# Altium PCB CGRA_Board_3.PcbDoc (part 1 of 7) (continued)
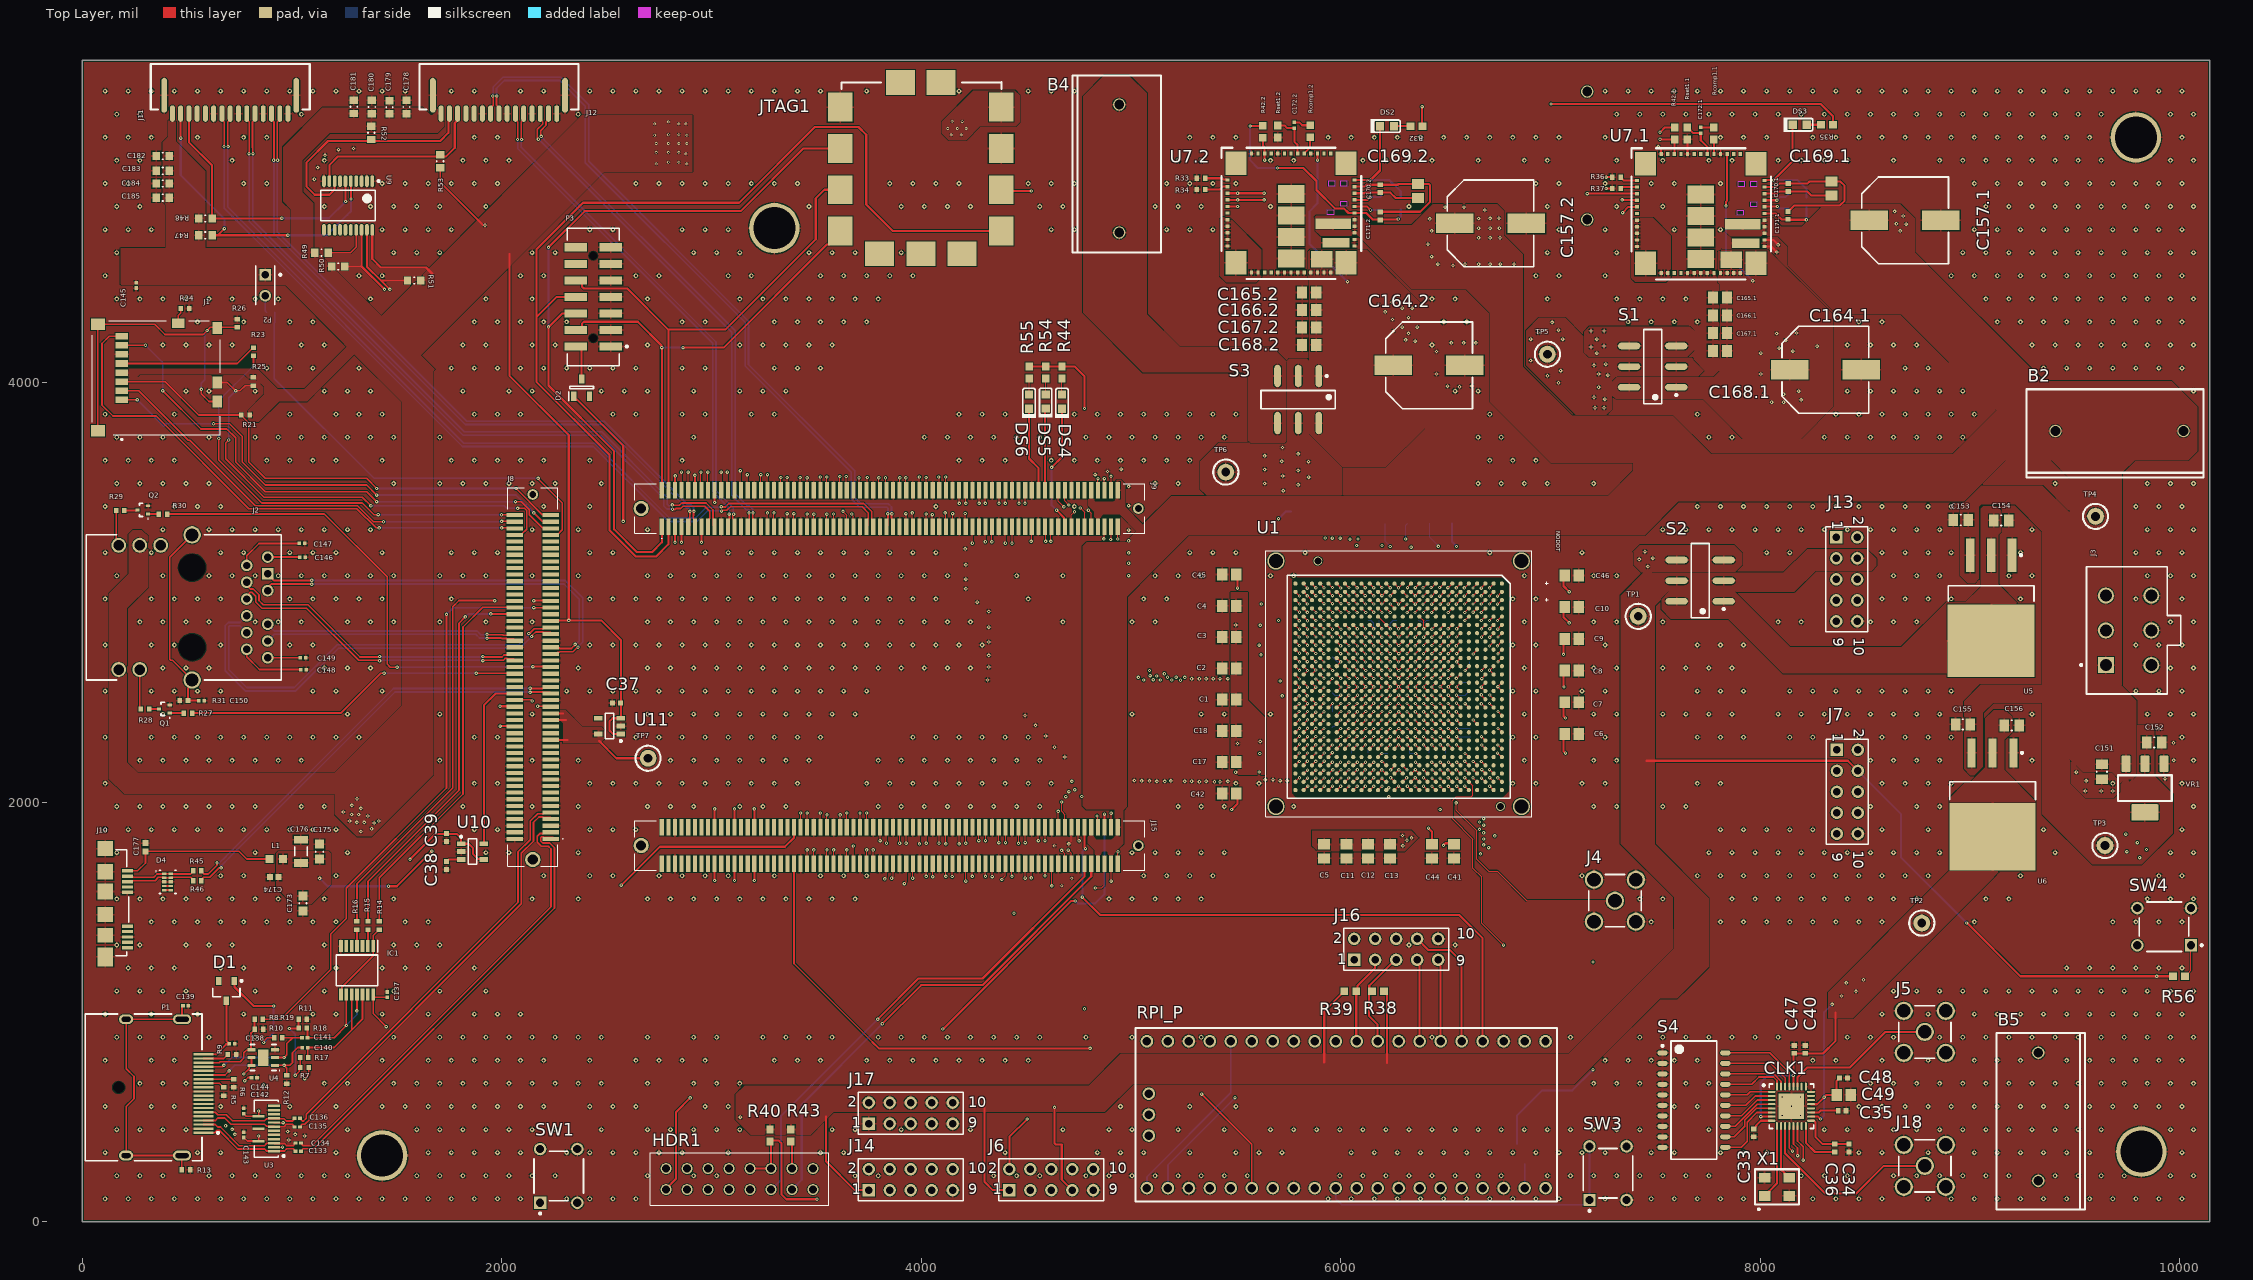
[diagram p0: Top Layer view]
## Components (designator, comment, footprint, x,y, rotation, side; value= is the part's Value field where it differs from the comment)
B1 "24.243.1" banana_clip 7174.8,5082.94 r90 bottom
B2 "24.243.1" banana_clip 9712,3770 r0 top
B4 "24.243.1" banana_clip 4944,5021 r270 top
B5 "24.243.1" banana_clip 9325,501 r90 top
C1 "CAP_1uF_0805_25V" CAPC2012X14N 5468,2489.43 r180 top
C2 "CAP_1uF_0805_25V" CAPC2012X14N 5468,2638.57 r180 top
C3 "CAP_1uF_0805_25V" CAPC2012X14N 5468,2787.71 r180 top
C4 "CAP_1uF_0805_25V" CAPC2012X14N 5468,2936.86 r180 top
C5 "CAP_1uF_0805_25V" CAPC2012X14N 5921,1766 r270 top
C6 "CAP_1uF_0805_25V" CAPC2012X14N 7101,2326 r0 top
C7 "CAP_1uF_0805_25V" CAPC2012X14N 7101,2477 r0 top
C8 "CAP_1uF_0805_25V" CAPC2012X14N 7101,2628 r0 top
C9 "CAP_1uF_0805_25V" CAPC2012X14N 7101,2779 r0 top
C10 "CAP_1uF_0805_25V" CAPC2012X14N 7101,2930 r0 top
C11 "CAP_1uF_0805_25V" CAPC2012X14N 6026.71,1766 r270 top
C12 "CAP_1uF_0805_25V" CAPC2012X14N 6130.67,1766 r270 top
C13 "CAP_1uF_0805_25V" CAPC2012X14N 6235.48,1766 r270 top
C14 "CAP_1uF_0805_25V" CAPC2012X14N 6211,3368 r90 bottom
C15 "CAP_1uF_0805_25V" CAPC2012X14N 6319,3369 r90 bottom
C16 "CAP_1uF_0805_25V" CAPC2012X14N 6425,3370 r90 bottom
C17 "CAP_1uF_0805_25V" CAPC2012X14N 5468,2191.14 r180 top
C18 "CAP_1uF_0805_25V" CAPC2012X14N 5468,2340.29 r180 top
C19 "cap" CAPC0603X02N 6118.63,2233 r180 bottom
C20 "cap" CAPC0603X02N 6195.24,2867 r0 bottom
C21 "cap" CAPC0603X02N 6039.7,2233 r180 bottom
C22 "cap" CAPC0603X02N 5958.82,2707 r90 bottom
C23 "cap" CAPC0603X02N 6631.62,2355.99 r0 bottom
C24 "cap" CAPC0603X02N 6434.17,2867 r0 bottom
C25 "cap" CAPC0603X02N 6118.63,2867 r180 bottom
C26 "cap" CAPC0603X02N 5958.82,2343 r270 bottom
C27 "cap" CAPC0603X02N 6279.01,2867 r0 bottom
C28 "cap" CAPC0603X02N 6631.62,2312.82 r0 bottom
C29 "cap" CAPC0603X02N 6628,2531 r0 bottom
C30 "cap" CAPC0603X02N 6628,2669 r0 bottom
C31 "cap" CAPC0603X02N 5959.63,2535 r90 bottom
C32 "cap" CAPC0603X02N 6628,2572 r0 bottom
C33 "CAP_470nF_1608mm_0603mil_1" CAPC1005X06N 7968.95,424.68 r270 top
C34 "CAP_470nF_1608mm_0603mil_1" CAPC1005X06N 8422.71,351.84 r270 top
C35 "CAP_470nF_1608mm_0603mil_1" CAPC1005X06N 8390.23,530 r0 top
C36 "CAP_12nF_1608mm_0603mil" CAPC1005X06N 8354.44,351.84 r90 top
C37 "CAP_470nF_1608mm_0603mil_1" CAPC1005X06N 2546.87,2473.53 r180 top
C38 "CAP_470nF_1608mm_0603mil_1" CAPC1005X06N 1737,1698.57 r270 top
C39 "CAP_470nF_1608mm_0603mil_1" CAPC1005X06N 1737,1832.5 r270 top
C40 "CAP_470nF_1608mm_0603mil_1" CAPC1005X06N 8213.61,822.67 r90 top
C41 "CAP_1uF_0805_25V" CAPC2012X14N 6539,1766 r270 top
C42 "CAP_1uF_0805_25V" CAPC2012X14N 5468,2042 r180 top
C43 "CAP_1uF_0805_25V" CAPC2012X14N 6531,3369 r90 bottom
C44 "CAP_1uF_0805_25V" CAPC2012X14N 6433.9,1766 r270 top
C45 "CAP_1uF_0805_25V" CAPC2012X14N 5468,3086 r180 top
C46 "CAP_1uF_0805_25V" CAPC2012X14N 7101,3081 r0 top
C47 "CAP_470nF_1608mm_0603mil_1" CAPC1005X06N 8161.13,822.67 r90 top
C48 "CAP_470nF_1608mm_0603mil_1" CAPC1005X06N 8396.5,685.84 r0 top
C49 "CAP_4.7uF_0805_25V" CAPC2012X14N 8397.48,605.53 r0 top
C96 "cap" CAPC0603X02N 6513.3,2233 r0 bottom
C97 "cap" CAPC0603X02N 6357,2867 r180 bottom
C98 "cap" CAPC0603X02N 6316,2233 r180 bottom
C99 "cap" CAPC0603X02N 6434.93,2233 r0 bottom
C100 "cap" CAPC0603X02N 6236.5,2233 r0 bottom
C101 "cap" CAPC0603X02N 5958.82,2418.01 r270 bottom
C106 "cap" CAPC0603X02N 6039.7,3399 r90 bottom
C107 "cap" CAPC0603X02N 5841.58,3399.01 r90 bottom
C108 "cap" CAPC0603X02N 5801.58,3399.01 r90 bottom
C109 "cap" CAPC0603X02N 6001,3317 r270 bottom
C110 "cap" CAPC0603X02N 5921.58,3399.01 r90 bottom
C111 "cap" CAPC0603X02N 5762.58,3317 r270 bottom
C112 "cap" CAPC0603X02N 5841.58,3317 r270 bottom
C113 "cap" CAPC0603X02N 5801.58,3317.01 r270 bottom
C114 "cap" CAPC0603X02N 6001,3399 r90 bottom
C115 "cap" CAPC0603X02N 5961.58,3317 r270 bottom
C116 "cap" CAPC0603X02N 5881.58,3317 r270 bottom
C117 "cap" CAPC0603X02N 5882,3399.01 r90 bottom
C118 "cap" CAPC0603X02N 6041,3317 r270 bottom
C119 "cap" CAPC0603X02N 5921.58,3317 r270 bottom
C120 "cap" CAPC0603X02N 5961.58,3399.01 r90 bottom
C121 "cap" CAPC0603X02N 5762.58,3399.01 r90 bottom
C133 "0.1uF" CAPC0201(0603)33_N 1029.99,335.88 r180 top
C134 "0.1uF" CAPC0201(0603)33_N 1030,376 r180 top
C135 "0.1uF" CAPC0201(0603)33_N 1026,452.15 r180 top
C136 "0.1uF" CAPC0201(0603)33_N 1026.01,493.36 r180 top
C137 "0.1uF" CAPC0201(0603)33_N 1455,1083.41 r270 top
C138 "0.1uF" CAPC0201(0603)33_N 714.43,850 r180 top
C139 "0.1uF" CAPC0201(0603)33_N 493.31,1029.31 r180 top
C140 "0.1uF" CAPC0201(0603)33_N 1062.74,831.09 r180 top
C141 "0.1uF" CAPC0201(0603)33_N 1061.46,877.98 r180 top
C142 "0.1uF" CAPC0201(0603)33_N 771,528.21 r90 top
C143 "0.1uF" CAPC0201(0603)33_N 771,414.62 r270 top
C144 "0.1uF" CAPC0201(0603)33_N 820.26,688.02 r180 top
C145 "0.1uF" CAPC0201(0603)33_N 257,4464 r270 top
C146 "0.1uF" CAPC0201(0603)33_N 1050.68,3169 r180 top
C147 "0.1uF" CAPC0201(0603)33_N 1048,3234 r180 top
C148 "0.1uF" CAPC0201(0603)33_N 1055.41,2633 r180 top
C149 "0.1uF" CAPC0201(0603)33_N 1053,2689 r180 top
C150 "0.1uF" CAPC0201(0603)33_N 568.99,2485 r180 top
C151 "10uF" CAPC0805(2012)145_N 9628,2146 r90 top
C152 "10uF" CAPC0805(2012)145_N 9877,2286 r180 top
C153 "10uF" CAPC0805(2012)145_N 8956,3346 r0 top
C154 "10uF" CAPC0805(2012)145_N 9148,3344 r180 top
C155 "10uF" CAPC0805(2012)145_N 8966,2372 r0 top
C156 "10uF" CAPC0805(2012)145_N 9199,2367 r180 top
C157.1 "CAP_POLY_330uF_25V" CAPAE110103X127M 8690,4774.31 r0 top (schematic designator C157)
C157.2 "CAP_POLY_330uF_25V" CAPAE110103X127M 6714,4760 r0 top (schematic designator C157)
C158.1 "CAP_22uF_1812_25V" CAPC4532X28N 8729,4582 r270 bottom (schematic designator C158)
C158.2 "CAP_22uF_1812_25V" CAPC4532X28N 6761,4544 r270 bottom (schematic designator C158)
C159.1 "CAP_22uF_1812_25V" CAPC4532X28N 8544,5011 r90 bottom (schematic designator C159)
C159.2 "CAP_22uF_1812_25V" CAPC4532X28N 6559,4987 r90 bottom (schematic designator C159)
C160.1 "CAP_22uF_1812_25V" CAPC4532X28N 8729,5011 r90 bottom (schematic designator C160)
C160.2 "CAP_22uF_1812_25V" CAPC4532X28N 6754,4988 r90 bottom (schematic designator C160)
C161.1 "CAP_22uF_1812_25V" CAPC4532X28N 8544,4582 r270 bottom (schematic designator C161)
C161.2 "CAP_22uF_1812_25V" CAPC4532X28N 6564,4544 r270 bottom (schematic designator C161)
C162.1 "CAP_4.7uF_0805_25V" CAPC2012X14N 8133,4865 r270 bottom (schematic designator C162)
C162.2 "CAP_4.7uF_0805_25V" CAPC2012X14N 6193.12,4856.62 r270 bottom (schematic designator C162)
C163.1 "CAP_POLY_470uF_16V" CAPAE110103X127M 8348,4062 r0 bottom (schematic designator C163)
C163.2 "CAP_POLY_470uF_16V" CAPAE110103X127M 6422,4083 r0 bottom (schematic designator C163)
C164.1 "CAP_POLY_470uF_16V" CAPAE110103X127M 8310,4062.04 r0 top (schematic designator C164)
C164.2 "CAP_POLY_470uF_16V" CAPAE110103X127M 6421,4083 r0 top (schematic designator C164)
C165.1 "CAP_47uF_0805_10V" CAPC2012X14N 7807.54,4406 r180 top (schematic designator C165)
C165.2 "CAP_47uF_0805_10V" CAPC2012X14N 5849,4430 r180 top (schematic designator C165)
C166.1 "CAP_47uF_0805_10V" CAPC2012X14N 7807.54,4321.33 r180 top (schematic designator C166)
C166.2 "CAP_47uF_0805_10V" CAPC2012X14N 5849,4347 r180 top (schematic designator C166)
C167.1 "CAP_47uF_0805_10V" CAPC2012X14N 7807.54,4236.67 r180 top (schematic designator C167)
C167.2 "CAP_47uF_0805_10V" CAPC2012X14N 5849,4264 r180 top (schematic designator C167)
C168.1 "CAP_47uF_0805_10V" CAPC2012X14N 7807.54,4152 r180 top (schematic designator C168)
C168.2 "CAP_47uF_0805_10V" CAPC2012X14N 5849,4181 r180 top (schematic designator C168)
C169.1 "CAP_1uF_0805_25V" CAPC2012X14N 8339,4926 r90 top (schematic designator C169)
C169.2 "CAP_1uF_0805_25V" CAPC2012X14N 6368,4914 r90 top (schematic designator C169)
C170.1 "CAP_10nF_0402_25V" CAPC1005X06N 8133,4930.41 r90 top (schematic designator C170)
C170.2 "CAP_10nF_0402_25V" CAPC1005X06N 6188,4925 r90 top (schematic designator C170)
C171.1 "CAP_2.2uF_0402_25V" CAPC1005X06N 8132,4798.23 r270 top (schematic designator C171)
C171.2 "CAP_2.2uF_0402_25V" CAPC1005X06N 6188,4793.99 r270 top (schematic designator C171)
C172.1 "CAP_1500pF_0201_25V" CAPC0603X02N 7716,5203.57 r270 top (schematic designator C172)
C172.2 "CAP_1500pF_0201_25V" CAPC0603X02N 5779,5227.22 r270 top (schematic designator C172)
C173 "4.7uF 6.3V 0603" CAPC0603(1608)55_M 1052.28,1517.71 r90 top value=4.7uF
C174 "100nF 16V 0402" CAPC0402(1005)60_M 915.44,1643.62 r0 top value=100nF
C175 "470pF 50V 0603" CAPC0603(1608)100_M 1132,1765 r270 top value=470pF
C176 "100uF 6.3V 1206" CAPC1206(3216)190_L 1042.97,1766.31 r270 top value=100uF
C177 "100nF 16V 0402" CAPC0402(1005)60_M 302,1786 r270 top value=100nF
C178 "100nF" CAPC0603(1608)100_N 1546,5314.5 r90 top value=1uF
C179 "100nF" CAPC0603(1608)100_N 1465,5313.5 r90 top value=1uF
C180 "100nF" CAPC0603(1608)100_N 1381,5314.5 r90 top value=1uF
C181 "100nF" CAPC0603(1608)100_N 1295,5315 r90 top value=1uF
C182 "100nF" CAPC0603(1608)100_N 383.98,5081 r0 top value=1uF
C183 "100nF" CAPC0603(1608)100_N 383.98,5010.14 r0 top value=1uF
C184 "100nF" CAPC0603(1608)100_N 383.98,4950 r0 top value=1uF
C185 "100nF" CAPC0603(1608)100_N 384,4882 r0 top value=1uF
CLK1 "AD9552" QFN50P500X500X80_HS-33N 8148,551 r0 top
D1 "BAT400D" SOT95P236X110-3N 687.92,1101.4 r270 top
D2 "BAT400D-7-F" SOT96P240X110-3N 2381,3977 r90 top
D4 "TPD4E05U06" "TI R-PUSON-N10" 407.16,1620.69 r0 top
D5 "BAT400D" SOT95P236X110-3N 6877,323.24 r270 bottom
DS2 "KP-1608MGC" KING-0603LED_GREEN_V 6220.54,5223 r0 top
DS3 "KP-1608MGC" KING-0603LED_GREEN_V 8187.47,5230 r0 top
DS4 "KP-1608MGC" KING-0603LED_GREEN_V 4671,3910 r90 top
DS5 "KP-1608MGC" KING-0603LED_GREEN_V 4593,3911 r90 top
DS6 "KP-1608MGC" KING-0603LED_GREEN_V 4514,3910 r90 top
HDR1 "2x8_HDR" 16POSHDR 2784,154 r0 top
IC1 "FIN1019MTCX" SOP65P640X120-14N 1310.59,1199.16 r270 top
J1 "5025700893" 5025700893 354.33,4016 r90 top
J2 "L829-1J1T-43" BELS-L829-1J1T-43_V 524.61,2929 r90 top
J3 "39-28-1063" MOLX-39-28-1063_V 9755.27,2819.65 r90 top
J4 "32K101-400L5" ROS-32K101-400L5_V 7307,1531 r0 top
J5 "32K101-400L5" ROS-32K101-400L5_V 8784,905.53 r90 top
J6 "Header 5X2" HDR2X5 4420,151 r0 top
J7 "Header 5X2" HDR2X5 8365,2250 r270 top
J8 "5177985-4" 5177985-4 2148.12,2597.11 r90 top
J9 "5177985-6" 5177985-6 3850,3400.61 r0 top
J10 "692622030100" 692622030100 112.4,1508.91 r270 top
J11 "SFW15R-2STE1LF" SFW15R-2STE1LF 706,5421 r180 top
J12 "SFW15R-2STE1LF" SFW15R-2STE1LF 1987,5421 r180 top
J13 "Header 5X2" HDR2X5 8362,3263 r270 top
J14 "Header 5X2" HDR2X5 3750,151 r0 top
J15 "5177985-6" 5177985-6 3850,1793.61 r0 top
J16 "Header 5X2" HDR2X5 6064,1249 r0 top
J17 "Header 5X2" HDR2X5 3750,468 r0 top
J18 "32K101-400L5" ROS-32K101-400L5_V 8784,267 r0 top
JTAG1 "JTAG_SMT2" JTAG_SMT2 3998.14,5018.43 r270 top
L1 "BEAD 30ohm 0603" "WE BEAD 0603 INDC1608X10N" 925.02,1729.57 r180 top
P1 "47272-0001" MOLX-47272-0001_V 288.19,641 r270 top
P2 "5-146280-2" TECO-5-146280-2_V 873,4465 r270 top
P3 "878321420" MOLX-878321420_V 2437,4409.15 r90 top
Q1 "MMBT3904TT1G" ONSC-SC-75-3-463-01_V 392,2445 r180 top
Q2 "MMBT3904TT1G" ONSC-SC-75-3-463-01_V 289,3394 r180 top
R5 "1M" RESC0402(1005)_N 675,621.32 r90 top
R6 "1M" RESC0402(1005)_N 721.99,660.68 r90 top
R7 "2.49K" RESC0402(1005)_N 1060,736 r0 top
R8 "10" RESC0402(1005)_N 841.58,965.8 r180 top
R9 "0" RESC0402(1005)_N 714.43,798 r180 top
R10 "100K" RESC0402(1005)_N 843.69,919 r180 top
R11 "1.50K" RESC0402(1005)_N 1051.61,965.8 r180 top
R12 "100K" RESC0402(1005)_N 976,679 r270 top
R13 "0" RESC0402(1005)_N 495,248 r0 top
R14 "0" RESC0402(1005)_N 1416,1413 r90 top
R15 "0" RESC0402(1005)_N 1363,1413 r90 top
R16 "0" RESC0402(1005)_N 1310,1413 r90 top
R17 "49.9" RESC0402(1005)_N 1058.68,783.24 r180 top
R18 "49.9" RESC0402(1005)_N 1051.61,923.94 r0 top
R19 "100K" RESC0402(1005)_N 935.28,877.98 r180 top
R20 "499" RESC0402(1005)_N 899,4336.2 r180 bottom
R21 "4.99K" RESC0402(1005)_N 779,3846 r0 top
R22 "4.99K" RESC0402(1005)_N 896.88,4285 r180 bottom
R23 "40.2" RESC0402(1005)_N 817,4148 r90 top
R24 "0" RESC0402(1005)_N 490,4354 r180 top
R25 "4.99K" RESC0402(1005)_N 815,4006 r90 top
R26 "0" RESC0402(1005)_N 740,4284 r90 top
R27 "100K" RESC0402(1005)_N 504.69,2425.32 r180 top
R28 "240" RESC0402(1005)_N 300,2445 r0 top
R29 "240" RESC0402(1005)_N 181.69,3391 r0 top
R30 "100K" RESC0402(1005)_N 386,3374 r180 top
R31 "0" RESC0402(1005)_N 485,2485 r0 top
R32 "RES_240_0603" RESC1608X06N 6361.7,5223 r180 top
R33 "7.15K" RESC0402(1005)_N 5334,4975 r0 top
R34 "7.15K" RESC0402(1005)_N 5334,4921 r0 top
R35 "RES_240_0603" RESC1608X06N 8317.86,5230 r180 top
R36 "7.15K" RESC0402(1005)_N 7314,4980 r0 top
R37 "22.6K" RESC0402(1005)_N 7314,4926 r0 top
R38 "RES_10K_0603" RESC1608X06N 6177.7,1099.4 r180 top
R39 "RES_10K_0603" RESC1608X06N 6045,1099 r0 top
R40 "RES_10K_0603" RESC1608X06N 3279,412 r270 top
R41.1 "RES_10K_0603" RESC1608X06N 8219.13,4854.61 r90 bottom (schematic designator R41)
R41.2 "RES_10K_0603" RESC1608X06N 6286,4854 r90 bottom (schematic designator R41)
R42.1 "RES_10K_0603" RESC1608X06N 7591,5188.8 r270 top (schematic designator R42)
R42.2 "RES_10K_0603" RESC1608X06N 5629,5196.46 r270 top (schematic designator R42)
R43 "RES_10K_0603" RESC1608X06N 3379,412 r270 top
R44 "RES_240_0603" RESC1608X06N 4671,4049 r270 top
R45 "0 0402" RESC0402(1005)_N 548.45,1674.52 r180 top value="0.00 Ohm"
R46 "0 0402" RESC0402(1005)_N 548.45,1626.06 r180 top value="0.00 Ohm"
R47 "10K" RESC0603(1608)_N 588,4703 r180 top value="10000.00 Ohm"
R48 "10K" RESC0603(1608)_N 587.89,4783.22 r180 top value="10000.00 Ohm"
R49 "10K" RESC0603(1608)_N 1141.2,4620.08 r180 top value="10000.00 Ohm"
R50 "10K" RESC0603(1608)_N 1220.82,4554.43 r180 top value="10000.00 Ohm"
R51 "10K" RESC0603(1608)_N 1582.5,4487.89 r0 top value="10000.00 Ohm"
R52 "10K" RESC0603(1608)_N 1378.34,5191.03 r90 top value="10000.00 Ohm"
R53 "10K" RESC0603(1608)_N 1707.12,5056.05 r270 top value="10000.00 Ohm"
R54 "RES_240_0603" RESC1608X06N 4593.18,4049 r270 top
R55 "RES_240_0603" RESC1608X06N 4514,4049 r270 top
R56 "RES_10K_0603" RESC1608X06N 9996,1171 r0 top
Rcomp1.1 "RES_665_0603" RESC1608X06N 7777,5188.8 r90 top (schematic designator Rcomp1)
Rcomp1.2 "RES_665_0603" RESC1608X06N 5854,5199 r90 top (schematic designator Rcomp1)
RPI_P "Raspberry Pi Pico" RPI_PICO -33199,-14899 r270 top
Rset1.1 "RES_1K_0603" RESC1608X06N 7652,5188.8 r270 top (schematic designator Rset1)
Rset1.2 "RES_1K_0603" RESC1608X06N 5700.01,5197.78 r270 top (schematic designator Rset1)
S1 "JS202011SCQN" JS202011SCQN_auto 7487.08,4077 r180 top
S2 "JS202011SCQN" JS202011SCQN_auto 7713.2,3056.57 r180 top
S3 "JS202011SCQN" JS202011SCQN_auto 5797,3920 r270 top
S4 "CHS-10TB" SOIC127P800X250-20N 7683.24,580.53 r0 top
SW1 "1825910-6" TECO-1825910-6_V 2272,219 r90 top
SW3 "1825910-6" TECO-1825910-6_V 7274,232 r90 top
SW4 "1825910-6" TECO-1825910-6_V 9925,1407 r180 top
TP1 "6.6" "TEST POINT SMALL RED" 7418,2886.56 r0 top value=RED
TP2 "6.6" "TEST POINT SMALL RED" 8769.83,1424.41 r0 top value=RED
TP3 "6.6" "TEST POINT SMALL RED" 9643,1794 r0 top value=RED
TP4 "6.6" "TEST POINT SMALL RED" 9598,3363 r0 top value=RED
TP5 "6.6" "TEST POINT SMALL RED" 6985,4136 r0 top value=RED
TP6 "6.6" "TEST POINT SMALL RED" 5452,3574 r0 top value=RED
TP7 "6.6" "TEST POINT SMALL RED" 2698,2210 r0 top value=RED
U1 "CGRA_BGA_v2" BGA676x26 6275.87,2550.43 r270 top
U3 "TPD8S009DSMR" DSM0015A_V 878,444.15 r180 top
U4 "TPD4E001DRSR" DRS0006A_V 863.37,783.24 r180 top
U5 "LD1085D2M18R" D2PAK_A_M 9100,2928 r270 top
U6 "LD1085D2M33R" D2PAK_A_L 9107,1989.54 r270 top
U7.1 "TPSM846C23" QFM-59 7716,4806.81 r270 top (schematic designator U7)
U7.2 "TPSM846C23" QFM-59 5763,4809 r270 top (schematic designator U7)
U9 "TCA9544A" TSOP65P640X120-20N 1268,4845 r270 top
U10 "LK112" SOT95P280X110-5N 1861,1765 r0 top
U11 "TCR2LF085" SOT95P280X110-5N 2514,2363.39 r180 top
VR1 "Z1117-5.0" SOT-223 9833.45,2067.86 r180 top
X1 "XTAL" "7M-26.000MAAJ-T footprint" 8079.1,167 r0 top

## Footprints (in the part's own frame and the unit in brackets; to place one, negate y for a bottom-side part, rotate by r counter-clockwise, add the part's x,y. Pads: shape width x height; smd on the part's side, far side on the other; paste and mask are expansions set on the pad)
"7M-26.000MAAJ-T footprint" [mm]
  rect 1.4x1.2 smd: 1(-1.5,-1.1) 2(1.5,-1.1) 3(1.5,1.1) 4(-1.5,1.1)
  silkscreen extent -2.64,-2.82 2.67,2.13
16POSHDR [mil]
  round 52 hole 39: 1(0,0) 2(0,100) 3(100,0) 4(100,100) 5(200,0) 6(200,100) 7(300,0) 8(300,100) 9(400,0) 10(400,100) 11(500,0) 12(500,100) 13(600,0) 14(600,100) 15(700,0) 16(700,100)
  silkscreen extent -75,-75 775,175
5177985-4 [mm]
  rect 0.5x2 smd: 1(-19.6,-2.2) 2(-19.6,2.2) 3(-18.8,-2.2) 4(-18.8,2.2) 5(-18,-2.2) 6(-18,2.2) 7(-17.2,-2.2) 8(-17.2,2.2) 9(-16.4,-2.2) 10(-16.4,2.2) 11(-15.6,-2.2) 12(-15.6,2.2) 13(-14.8,-2.2) 14(-14.8,2.2) 15(-14,-2.2) 16(-14,2.2) 17(-13.2,-2.2) 18(-13.2,2.2) 19(-12.4,-2.2) 20(-12.4,2.2) 21(-11.6,-2.2) 22(-11.6,2.2) 23(-10.8,-2.2) 24(-10.8,2.2) 25(-10,-2.2) 26(-10,2.2) 27(-9.2,-2.2) 28(-9.2,2.2) 29(-8.4,-2.2) 30(-8.4,2.2) 31(-7.6,-2.2) 32(-7.6,2.2) 33(-6.8,-2.2) 34(-6.8,2.2) 35(-6,-2.2) 36(-6,2.2) 37(-5.2,-2.2) 38(-5.2,2.2) 39(-4.4,-2.2) 40(-4.4,2.2) 41(-3.6,-2.2) 42(-3.6,2.2) 43(-2.8,-2.2) 44(-2.8,2.2) 45(-2,-2.2) 46(-2,2.2) 47(-1.2,-2.2) 48(-1.2,2.2) 49(-0.4,-2.2) 50(-0.4,2.2) 51(0.4,-2.2) 52(0.4,2.2) 53(1.2,-2.2) 54(1.2,2.2) 55(2,-2.2) 56(2,2.2) 57(2.8,-2.2) 58(2.8,2.2) 59(3.6,-2.2) 60(3.6,2.2) 61(4.4,-2.2) 62(4.4,2.2) 63(5.2,-2.2) 64(5.2,2.2) 65(6,-2.2) 66(6,2.2) 67(6.8,-2.2) 68(6.8,2.2) 69(7.6,-2.2) 70(7.6,2.2) 71(8.4,-2.2) 72(8.4,2.2) 73(9.2,-2.2) 74(9.2,2.2) 75(10,-2.2) 76(10,2.2) 77(10.8,-2.2) 78(10.8,2.2) 79(11.6,-2.2) 80(11.6,2.2) 81(12.4,-2.2) 82(12.4,2.2) 83(13.2,-2.2) 84(13.2,2.2) 85(14,-2.2) 86(14,2.2) 87(14.8,-2.2) 88(14.8,2.2) 89(15.6,-2.2) 90(15.6,2.2) 91(16.4,-2.2) 92(16.4,2.2) 93(17.2,-2.2) 94(17.2,2.2) 95(18,-2.2) 96(18,2.2) 97(18.8,-2.2) 98(18.8,2.2) 99(19.6,-2.2) 100(19.6,2.2)
  round 1.85 hole 1.23: MH1(-22.1,0)
  round 1.3 hole 0.83: MH2(22.1,0)
  silkscreen extent -22.9,-3.66 22.9,3
5177985-6 [mm]
  rect 0.5x2 smd: 1(-27.6,-2.2) 2(-27.6,2.2) 3(-26.8,-2.2) 4(-26.8,2.2) 5(-26,-2.2) 6(-26,2.2) 7(-25.2,-2.2) 8(-25.2,2.2) 9(-24.4,-2.2) 10(-24.4,2.2) 11(-23.6,-2.2) 12(-23.6,2.2) 13(-22.8,-2.2) 14(-22.8,2.2) 15(-22,-2.2) 16(-22,2.2) 17(-21.2,-2.2) 18(-21.2,2.2) 19(-20.4,-2.2) 20(-20.4,2.2) 21(-19.6,-2.2) 22(-19.6,2.2) 23(-18.8,-2.2) 24(-18.8,2.2) 25(-18,-2.2) 26(-18,2.2) 27(-17.2,-2.2) 28(-17.2,2.2) 29(-16.4,-2.2) 30(-16.4,2.2) 31(-15.6,-2.2) 32(-15.6,2.2) 33(-14.8,-2.2) 34(-14.8,2.2) 35(-14,-2.2) 36(-14,2.2) 37(-13.2,-2.2) 38(-13.2,2.2) 39(-12.4,-2.2) 40(-12.4,2.2) 41(-11.6,-2.2) 42(-11.6,2.2) 43(-10.8,-2.2) 44(-10.8,2.2) 45(-10,-2.2) 46(-10,2.2) 47(-9.2,-2.2) 48(-9.2,2.2) 49(-8.4,-2.2) 50(-8.4,2.2) 51(-7.6,-2.2) 52(-7.6,2.2) 53(-6.8,-2.2) 54(-6.8,2.2) 55(-6,-2.2) 56(-6,2.2) 57(-5.2,-2.2) 58(-5.2,2.2) 59(-4.4,-2.2) 60(-4.4,2.2) 61(-3.6,-2.2) 62(-3.6,2.2) 63(-2.8,-2.2) 64(-2.8,2.2) 65(-2,-2.2) 66(-2,2.2) 67(-1.2,-2.2) 68(-1.2,2.2) 69(-0.4,-2.2) 70(-0.4,2.2) 71(0.4,-2.2) 72(0.4,2.2) 73(1.2,-2.2) 74(1.2,2.2) 75(2,-2.2) 76(2,2.2) 77(2.8,-2.2) 78(2.8,2.2) 79(3.6,-2.2) 80(3.6,2.2) 81(4.4,-2.2) 82(4.4,2.2) 83(5.2,-2.2) 84(5.2,2.2) 85(6,-2.2) 86(6,2.2) 87(6.8,-2.2) 88(6.8,2.2) 89(7.6,-2.2) 90(7.6,2.2) 91(8.4,-2.2) 92(8.4,2.2) 93(9.2,-2.2) 94(9.2,2.2) 95(10,-2.2) 96(10,2.2) 97(10.8,-2.2) 98(10.8,2.2) 99(11.6,-2.2) 100(11.6,2.2) 101(12.4,-2.2) 102(12.4,2.2) 103(13.2,-2.2) 104(13.2,2.2) 105(14,-2.2) 106(14,2.2) 107(14.8,-2.2) 108(14.8,2.2) 109(15.6,-2.2) 110(15.6,2.2) 111(16.4,-2.2) 112(16.4,2.2) 113(17.2,-2.2) 114(17.2,2.2) 115(18,-2.2) 116(18,2.2) 117(18.8,-2.2) 118(18.8,2.2) 119(19.6,-2.2) 120(19.6,2.2) 121(20.4,-2.2) 122(20.4,2.2) 123(21.2,-2.2) 124(21.2,2.2) 125(22,-2.2) 126(22,2.2) 127(22.8,-2.2) 128(22.8,2.2) 129(23.6,-2.2) 130(23.6,2.2) 131(24.4,-2.2) 132(24.4,2.2) 133(25.2,-2.2) 134(25.2,2.2) 135(26,-2.2) 136(26,2.2) 137(26.8,-2.2) 138(26.8,2.2) 139(27.6,-2.2) 140(27.6,2.2)